# KiCad board controller.kicad_pcb (continued)
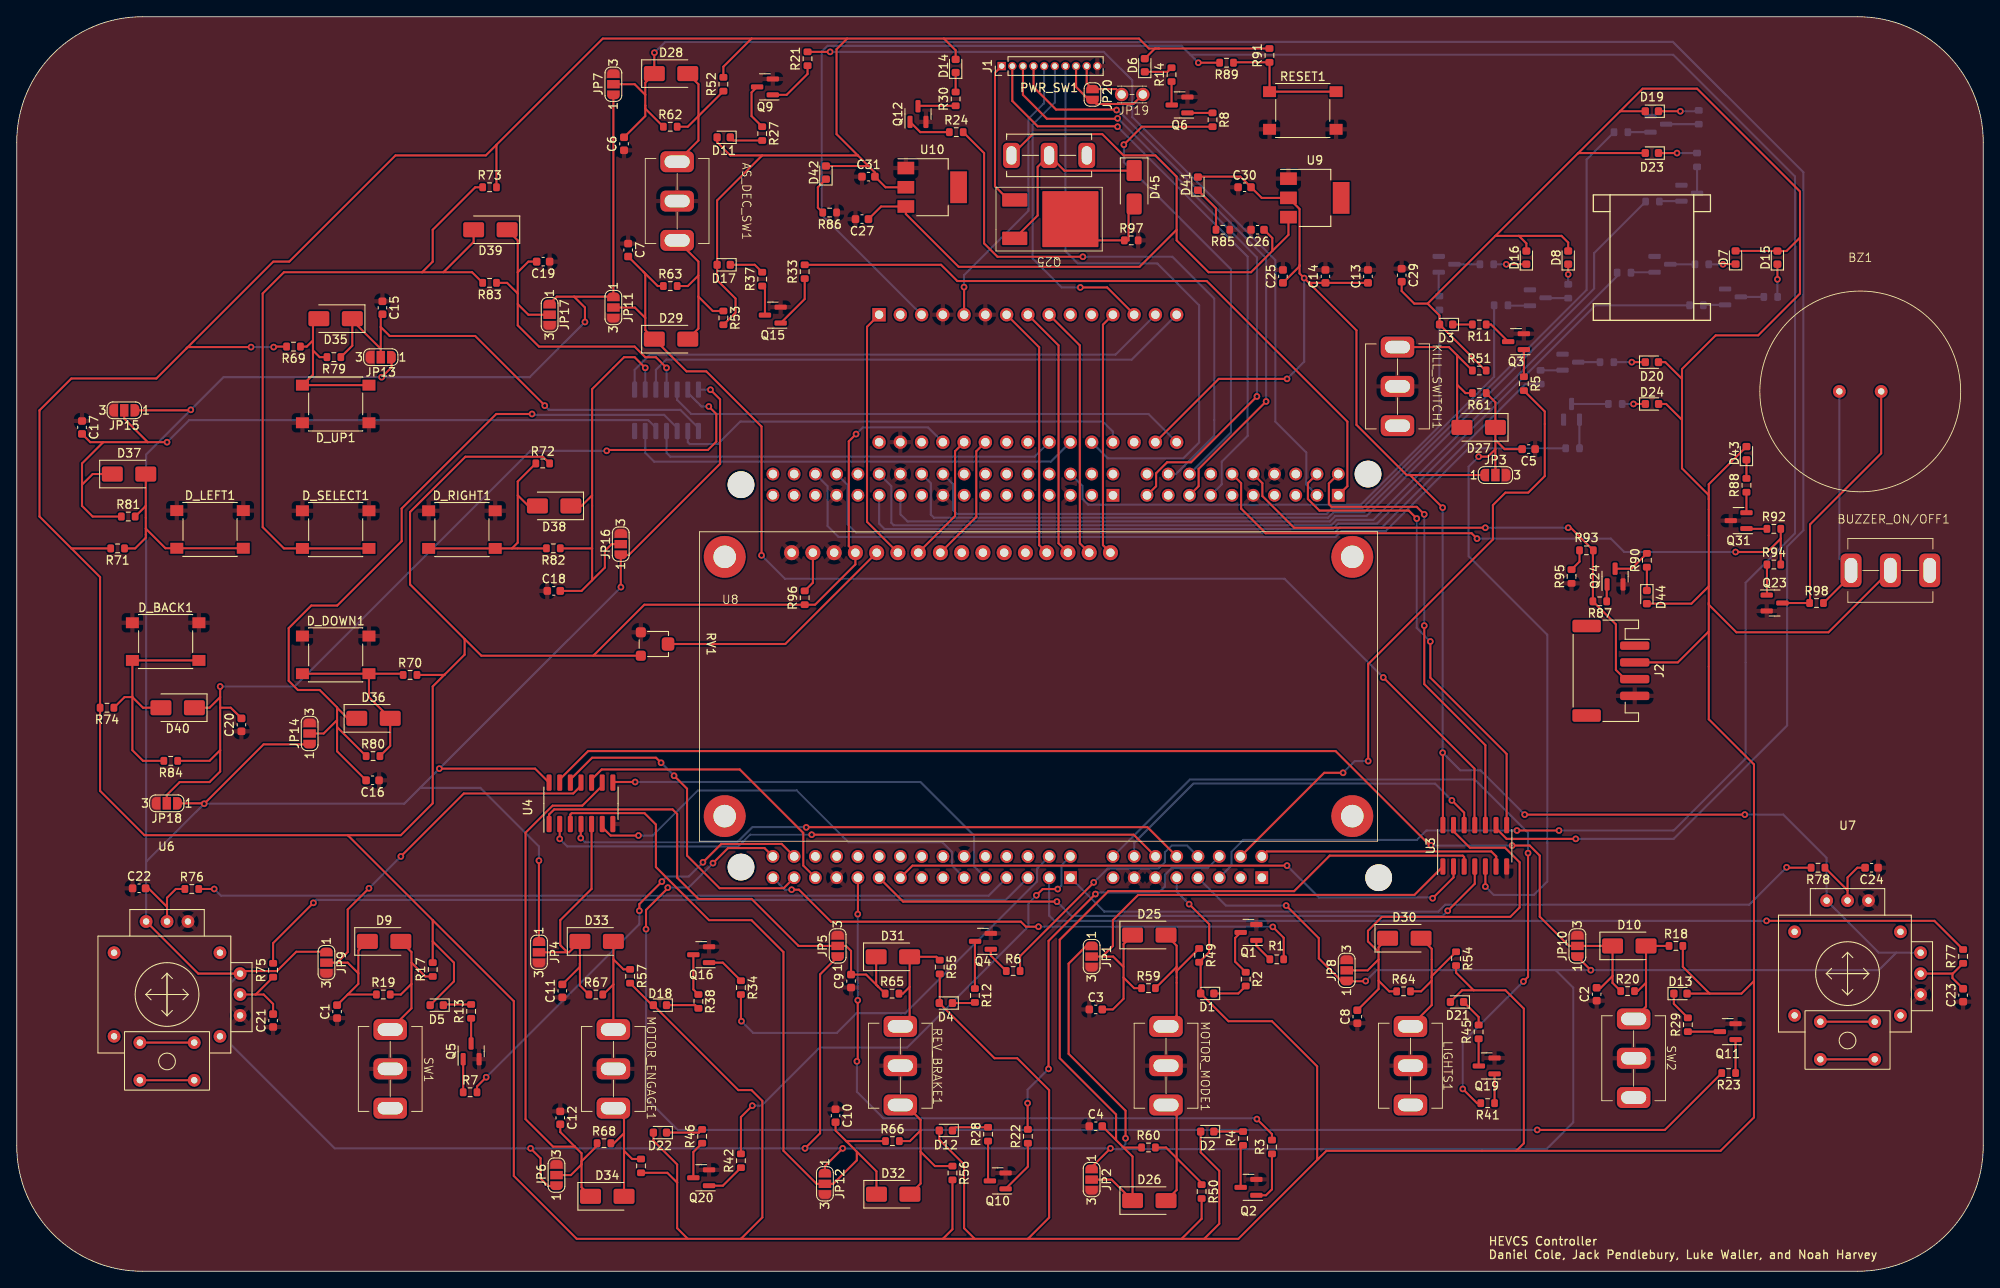
[diagram p0: board, top side]
## Footprints (pads in the part's own frame, mm; a bottom-side part is the same pattern mirrored in y, then rotated) (continued)
Variable_Resistor
  rrect 1.2x1.2 smd: 1(-1.4,-1.8) 3(1.4,-1.8)
  rrect 1.6x1.5 smd: 2(0,1.45)

## Nets
+3V3: C13.1 C14.1 C25.1 C30.2 D41.2 JP1.1 JP2.1 JP3.1 JP4.1 JP5.1 JP6.1 JP7.1 JP8.1 JP9.1 JP10.1 JP11.1 JP12.1 JP13.1 JP14.1 JP15.1 JP16.1 JP17.1 JP18.1 U1.17 U2.16 U3.14 U4.14 U5.14 U6.X1 U6.Y1 U7.X1 U7.Y1 U9.2
+5V: BUZZER_ON/OFF1.2 C29.2 C31.2 D1.2 D2.2 D3.2 D4.2 D5.2 D6.2 D7.2 D8.2 D11.2 D12.2 D13.2 D14.2 D15.2 D16.2 D17.2 D18.2 D19.2 D20.2 D21.2 D22.2 D23.2 D24.2 D42.2 D43.2 D44.2 J2.2 R17.2 R18.2 R49.2 R50.2 R51.2 R52.2 R53.2 R54.2 R55.2 R56.2 R57.2 R58.2 R69.2 R70.2 R71.2 R72.2 R73.2 R74.2 R91.2 R96.1 RV1.3 U1.27 U2.18 U8.4 U10.2
+12V: C26.1 C27.1 PWR_SW1.1 U9.3 U10.3
VIN: J1.1 Q25.1
ASCEND: U2.77 U3.8
ASCEND_LED: R21.2 U2.98
ASCEND_SB: C6.2 D28.1 JP7.2 R62.1 U3.9
BRAKE_LED: R6.2 U2.2
BRAKE_MODE: U2.4 U4.2
BRAKE_MODE_SB: C9.2 D31.1 JP5.2 R65.1 U4.1
BUZZER: R92.1 R94.2 U2.85
CLK_1: J1.4 U2.103
CLK_2: J1.7 U1.20
COL_SENS_1: R35.2 U2.116
COL_SENS_2: R43.2 U2.115
COL_SENS_3: R9.2 U2.119
COL_SENS_4: R25.2 U2.117
COL_SENS_5: R36.2 U2.123
COL_SENS_6: R44.2 U2.125
COL_SENS_7: R10.2 U2.112
COL_SENS_8: R26.2 U2.128
D_BACK: U1.16 U5.12
D_BACK_SB: C20.2 D40.1 JP18.2 R84.1 U5.13
D_DOWN: U1.22 U5.4
D_DOWN_SB: C16.2 D36.1 JP14.2 R80.1 U5.3
D_LEFT: U1.21 U5.6
D_LEFT_SB: C17.2 D37.1 JP15.2 R81.1 U5.5
D_RIGHT: U1.14 U5.8
D_RIGHT_SB: C18.2 D38.1 JP16.2 R82.1 U5.9
D_SEL: U1.15 U5.10
D_SEL_SB: C19.2 D39.1 JP17.2 R83.1 U5.11
D_UP: U1.19 U5.2
D_UP_SB: C15.2 D35.1 JP13.2 R79.1 U5.1
DE_LED: R42.2 U2.45
DESCEND: U2.75 U3.10
DESCEND_LED: R33.2 U2.76
DESCEND_SB: C7.2 D29.1 JP11.2 R63.1 U3.11
Earth: AS_DEC_SW1.2 C1.1 C2.1 C3.1 C4.1 C5.1 C6.1 C7.1 C8.1 C9.1 C10.1 C11.1 C12.1 C13.2 C14.2 C15.1 C16.1 C17.1 C18.1 C19.1 C20.1 C21.1 C22.1 C23.1 C24.1 C25.2 C26.2 C27.2 C29.1 C30.1 C31.1 D_BACK1.1 D_DOWN1.1 D_LEFT1.1 D_RIGHT1.1 D_SELECT1.1 D_UP1.1 J1.10 J2.4 JP1.3 JP2.3 JP3.3 JP4.3 JP5.3 JP6.3 JP7.3 JP8.3 JP9.3 JP10.3 JP11.3 JP12.3 JP13.3 JP14.3 JP15.3 JP16.3 JP17.3 JP18.3 KILL_SWITCH1.2 LIGHTS1.2 MOTOR_ENGAGE1.2 MOTOR_MODE1.2 Q1.2 Q2.2 Q3.2 Q4.2 Q5.2 Q6.2 Q7.2 Q8.2 Q9.2 Q10.2 Q11.2 Q12.2 Q13.2 Q14.2 Q15.2 Q16.2 Q17.2 Q18.2 Q19.2 Q20.2 Q21.2 Q22.2 Q23.2 Q24.2 Q31.3 R85.1 R86.1 R95.2 R97.2 RESET1.2 REV_BRAKE1.2 RV1.1 SW1.2 SW2.2 U1.4 U1.6 U1.29 U2.8 U2.17 U2.19 U2.20 U2.49 U2.60 U2.81 U2.92 U2.111 U2.144 U3.7 U4.7 U5.7 U6.X3 U6.Y3 U7.X3 U7.Y3 U8.1 U8.3 U9.1 U10.1
EN_LED: R34.2 U2.43
KILL_LED: R5.2 U2.73
KILL_SWITCH: U2.74 U3.6
KILL_SWITCH_SB: C5.2 D27.1 JP3.2 R61.1 U3.5
L_PITCH: R75.2 U2.37
L_ROLL: R76.2 U2.130
LCD_D4: U1.7 U8.13
LCD_D5: U1.8 U8.14
LCD_D6: U1.9 U8.15
LCD_D7: U1.12 U8.16
LCD_E: U1.25 U8.8
LCD_R/W: U1.26 U8.7
LCD_RS: U1.1 U8.6
LED_1: R8.2 U2.118
LED_2: R24.2 U2.120
LIGHTS: U2.42 U3.12
LIGHTS_LED: R41.2 U2.44
LIGHTS_SB: C8.2 D30.1 JP8.2 R64.1 U3.13
MISO_1: J1.3 U2.99
MISO_2: J1.6 U1.13
MOSI_1: J1.2 U2.101
MOSI_2: J1.5 U1.5
MOTOR_DE: U2.108 U4.8
MOTOR_DENGAGE_SB: C12.2 D34.1 JP6.2 R68.1 U4.9
MOTOR_EN: U2.114 U4.6
MOTOR_ENGAGE_SB: C11.2 D33.1 JP4.2 R67.1 U4.5
MOTOR_MODE_1: U2.52 U3.2
MOTOR_MODE_1_LED: R1.2 U2.59
MOTOR_MODE_1_SB: C3.2 D25.1 JP1.2 R59.1 U3.1
MOTOR_MODE_2: U2.31 U3.4
MOTOR_MODE_2_LED: R3.2 U2.29
MOTOR_MODE_2_SB: C4.2 D26.1 JP2.2 R60.1 U3.3
R_PITCH: R77.2 U2.38
R_ROLL: R78.2 U2.109
RESET: R89.2 U1.3 U2.14
REV_LED: R22.2 U2.1
REV_MODE: U2.3 U4.4
REV_MODE_SB: C10.2 D32.1 JP12.2 R66.1 U4.3
SWITCH_1: U2.57 U4.10
SWITCH_1_LED: R7.2 U2.56
SWITCH_1_SB: C1.2 D9.1 JP9.2 R19.1 U4.11
SWITCH_2: U2.55 U4.12
SWITCH_2_LED: R23.2 U2.58
SWITCH_2_SB: C2.2 D10.1 JP10.2 R20.1 U4.13
VIB_MOTOR: J2.3 R87.2 R93.1 U2.83
Net-(BUZZER_ON/OFF1-A): BUZZER_ON/OFF1.1 BZ1.1 R98.2
Net-(BZ1-+): BZ1.2 Q23.3 R98.1
Net-(C21-Pad2): C21.2 R75.1 U6.Y2
Net-(C22-Pad2): C22.2 R76.1 U6.X2
Net-(C23-Pad2): C23.2 R77.1 U7.Y2
Net-(C24-Pad2): C24.2 R78.1 U7.X2
Net-(D1-K): D1.1 R2.2
Net-(D2-K): D2.1 R4.2
Net-(D3-K): D3.1 R11.2
Net-(D4-K): D4.1 R12.2
Net-(D5-K): D5.1 R13.2
Net-(D6-K): D6.1 R14.2
Net-(D7-K): D7.1 R15.2
Net-(D8-K): D8.1 R16.2
Net-(D9-A): D9.2 R17.1 R19.2 SW1.1
Net-(D10-A): D10.2 R18.1 R20.2 SW2.1
Net-(D11-K): D11.1 R27.2
Net-(D12-K): D12.1 R28.2
Net-(D13-K): D13.1 R29.2
Net-(D14-K): D14.1 R30.2
Net-(D15-K): D15.1 R31.2
Net-(D16-K): D16.1 R32.2
Net-(D17-K): D17.1 R37.2
Net-(D18-K): D18.1 R38.2
Net-(D19-K): D19.1 R39.2
Net-(D20-K): D20.1 R40.2
Net-(D21-K): D21.1 R45.2
Net-(D22-K): D22.1 R46.2
Net-(D23-K): D23.1 R47.2
Net-(D24-K): D24.1 R48.2
Net-(D25-A): D25.2 MOTOR_MODE1.1 R49.1 R59.2
Net-(D26-A): D26.2 MOTOR_MODE1.3 R50.1 R60.2
Net-(D27-A): D27.2 KILL_SWITCH1.1 R51.1 R61.2
Net-(D28-A): AS_DEC_SW1.1 D28.2 R52.1 R62.2
Net-(D29-A): AS_DEC_SW1.3 D29.2 R53.1 R63.2
Net-(D30-A): D30.2 LIGHTS1.1 R54.1 R64.2
Net-(D31-A): D31.2 R55.1 R65.2 REV_BRAKE1.1
Net-(D32-A): D32.2 R56.1 R66.2 REV_BRAKE1.3
Net-(D33-A): D33.2 MOTOR_ENGAGE1.1 R57.1 R67.2
Net-(D34-A): D34.2 MOTOR_ENGAGE1.3 R58.1 R68.2
Net-(D35-A): D35.2 D_UP1.2 R69.1 R79.2
Net-(D36-A): D36.2 D_DOWN1.2 R70.1 R80.2
Net-(D37-A): D37.2 D_LEFT1.2 R71.1 R81.2
Net-(D38-A): D38.2 D_RIGHT1.2 R72.1 R82.2
Net-(D39-A): D39.2 D_SELECT1.2 R73.1 R83.2
Net-(D40-A): D40.2 D_BACK1.2 R74.1 R84.2
Net-(D41-K): D41.1 R85.2
Net-(D42-K): D42.1 R86.2
Net-(D43-K): D43.1 R88.2
Net-(D44-K): D44.1 R90.2
Net-(D45-A): D45.2 Q25.2 R97.1
Net-(D45-K): D45.1 PWR_SW1.2 Q25.3
Net-(J1-Pin_8): J1.8 JP19.2 JP20.2
Net-(J1-Pin_9): J1.9 JP19.1 JP20.1
Net-(Q1-B): Q1.1 R1.1
Net-(Q1-C): Q1.3 R2.1
Net-(Q2-B): Q2.1 R3.1
Net-(Q2-C): Q2.3 R4.1
Net-(Q3-B): Q3.1 R5.1
Net-(Q3-C): Q3.3 R11.1
Net-(Q4-B): Q4.1 R6.1
Net-(Q4-C): Q4.3 R12.1
Net-(Q5-B): Q5.1 R7.1
Net-(Q5-C): Q5.3 R13.1
Net-(Q6-B): Q6.1 R8.1
Net-(Q6-C): Q6.3 R14.1
Net-(Q7-B): Q7.1 R9.1
Net-(Q7-C): Q7.3 R15.1
Net-(Q8-B): Q8.1 R25.1
Net-(Q8-C): Q8.3 R31.1
Net-(Q9-B): Q9.1 R21.1
Net-(Q9-C): Q9.3 R27.1
Net-(Q10-B): Q10.1 R22.1
Net-(Q10-C): Q10.3 R28.1
Net-(Q11-B): Q11.1 R23.1
Net-(Q11-C): Q11.3 R29.1
Net-(Q12-B): Q12.1 R24.1
Net-(Q12-C): Q12.3 R30.1
Net-(Q13-B): Q13.1 R36.1
Net-(Q13-C): Q13.3 R40.1
Net-(Q14-B): Q14.1 R44.1
Net-(Q14-C): Q14.3 R48.1
Net-(Q15-B): Q15.1 R33.1
Net-(Q15-C): Q15.3 R37.1
Net-(Q16-B): Q16.1 R34.1
Net-(Q16-C): Q16.3 R38.1
Net-(Q17-B): Q17.1 R35.1
Net-(Q17-C): Q17.3 R39.1
Net-(Q18-B): Q18.1 R10.1
Net-(Q18-C): Q18.3 R16.1
Net-(Q19-B): Q19.1 R41.1
Net-(Q19-C): Q19.3 R45.1
Net-(Q20-B): Q20.1 R42.1
Net-(Q20-C): Q20.3 R46.1
Net-(Q21-B): Q21.1 R43.1
Net-(Q21-C): Q21.3 R47.1
Net-(Q22-B): Q22.1 R26.1
Net-(Q22-C): Q22.3 R32.1
Net-(Q23-B): Q23.1 R94.1
Net-(Q24-B): Q24.1 R87.1
Net-(Q24-C): Q24.3 R90.1
Net-(Q26-G): R93.2 R95.1
Net-(Q31-B): Q31.1 R92.2
Net-(Q31-E): Q31.2 R88.1
Net-(RESET1-A): R89.1 R91.1 RESET1.1
Net-(U8-LEDA): R96.2 U8.2
Net-(U8-Vo): RV1.2 U8.5

Pads without a net: BUZZER_ON/OFF1 3; J2 1 MP; KILL_SWITCH1 3; LIGHTS1 3; PWR_SW1 3; SW1 3; SW2 3; U1 2 10 11 18 23 24 28 30; U2 11 12 24 28 32 34 35 39 40 41 46 47 48 50 54 62 63 79 87 88 89 90 91 94 96 97 102 104 110 113 121 122 124 127 129 131 132 133 136 NC; U6 Earth SW1 SW2; U7 Earth SW1 SW2; U8 9 10 11 12; U9 4; U10 4

## Via types
v1: diameter 0.8, hole 0.4, Top to Bottom, 118 vias

## Routing (per net, layer and track width the routed paths; a pad name or vN(x,y) marks a point on that pad's centre or on a via; arc(x,y) is an arc through that point)
+3V3: length 918.6
  Top w0.25: v1(20.8,103) 20.74,102.94 JP15.1 ; v1(94.2,14.7) 96,16.5 96,35.5 JP5.1 ; v1(170.4,62) 170.43,61.97 U3.14 ; D41.2 141.2,130.88 146.23,130.88 C30.2 148.77,128.34 U9.2 153.29,127.02 153.29,120.3 ; v1(62.4,49.1) 62.4,39.45 JP4.1 ; JP6.1 63.5,10.2 62.6,11.1 62.6,13.5 v1(61.4,14.7) ; v1(151.7,43.72) 155.6,39.82 155.6,37.41 158.33,34.68 JP8.1 161.18,34.68 v1(161.2,34.7) ; v1(170.4,91.3) 166.5,95.2 ; 166.5,95.2 JP3.1 ; 166.5,95.2 166.1,95.2 160.1,101.2 160.1,112.5 154.42,118.18 ; JP18.1 22.35,55.95 v1(22.4,55.9) 29.5,63 JP14.1 ; JP7.1 JP11.1 66.6,116.53 ; JP12.1 96.58,12.58 v1(98.7,14.7) ; 154.42,118.18 C14.1 C13.1 ; 154.42,118.18 v1(153.85,118.75) 153.29,119.31 153.29,120.3 ; U4.14 61.94,60.1 v1(50.5,60.1) ; 66.6,116.53 64.54,116.53 JP17.1 ; 66.6,116.53 67.9,115.23 v1(67.9,113.5) ; v1(151.8,106.7) 143.64,106.7 U1.17 ; 153.29,120.3 153.29,120.16 C25.1 ; v1(180.2,54.6) v1(206.5,54.6) ; JP2.1 128.45,12.45 v1(130.7,14.7) ; v1(72.2,81.8) 72.18,81.82 JP16.1 73.14,85.64 84.05,96.55 84.05,104.25 v1(82.9,105.4) ; v1(188.1,36) JP10.1 ; JP9.1 33.4,38.2 31.09,35.9 26.99,35.9 U6.Y1 21.69,35.59 U6.X1 ; v1(43.6,106.9) 44.8,108.1 JP13.1 ; v1(132.5,15.9) 132.5,19.2 125.7,26 125.7,36.78 127.85,38.93 JP1.1
  Bottom w0.25: v1(67.9,113.5) 61.3,106.9 v1(43.6,106.9) 24.7,106.9 v1(20.8,103) 15.46,97.66 15.46,48.96 ; U2.16 144.5,43.72 v1(151.7,43.72) ; 183.9,36 v1(188.1,36) 222.51,36 224.6,38.09 ; 183.9,36 186,33.9 186,17.8 182.8,14.6 131.9,14.6 ; 183.9,36 162.5,36 v1(161.2,34.7) ; U7.Y1 224.6,38.09 ; 224.6,38.09 222.51,38.09 U7.X1 216.28,49.42 211.1,54.6 v1(206.5,54.6) ; 48.2,57.8 46.3,55.9 v1(22.4,55.9) 15.46,48.96 ; 48.2,57.8 55.4,57.8 62.4,50.8 v1(62.4,49.1) ; 48.2,57.8 v1(50.5,60.1) v1(72.2,81.8) ; v1(180.2,54.6) 174.9,59.9 172.5,59.9 v1(170.4,62) v1(170.4,91.3) ; v1(151.8,106.7) 153.85,108.75 v1(153.85,118.75) ; 15.46,48.96 U6.X1 ; v1(82.9,105.4) 82.89,105.41 U5.14 ; 131.9,14.6 130.8,14.6 v1(130.7,14.7) v1(98.7,14.7) v1(94.2,14.7) v1(61.4,14.7) 38,14.7 25.6,27.1 25.6,34.5 U6.Y1 ; 131.9,14.6 132.5,15.2 v1(132.5,15.9)
+5V: length 1253.9
  Top w0.25: 51.14,71.36 49.71,69.92 49.71,55.95 45.9,52.14 39.55,52.14 ; 51.14,71.36 53.52,73.73 53.52,75.6 ; 51.14,71.36 51.09,71.3 R70.2 ; 168.6,115.7 170.03,114.28 D3.2 175.53,107.7 R51.2 ; 168.6,115.7 176.7,123.8 ; 168.6,115.7 167,115.7 165.5,117.2 C29.2 ; 6.53,86.43 2.72,90.24 2.72,102.94 6.53,106.75 16.69,106.75 20.27,110.33 ; 6.53,86.43 9.96,83 R74.2 9.96,57.44 15.26,52.14 39.55,52.14 ; 6.53,86.43 R71.2 ; 191.6,138.7 194.3,141.4 200.8,141.4 213.1,129.1 213.1,123.6 ; 191.6,138.7 D19.2 ; 191.6,138.7 186.55,133.65 ; D7.2 210.39,122 D15.2 211.49,121.99 213.1,123.6 ; 136.5,146.2 135.3,146.2 134.11,147.39 110.8,147.39 ; 136.5,146.2 R91.2 ; 136.5,146.2 136.01,146.2 D6.2 ; 141.9,3.88 139.2,3.88 ; 141.9,3.88 143.7,5.68 143.7,12 141.48,14.22 D2.2 ; 141.9,3.88 145.98,3.88 155.4,13.3 ; D23.2 186.6,133.7 186.55,133.65 ; 174.1,33.6 177.9,33.6 180.1,31.4 180.1,15.3 179.2,14.4 ; 174.1,33.6 172.72,33.6 171.32,32.2 ; 174.1,33.6 172,35.7 R54.2 ; v1(100.3,100.1) 99.43,99.23 99.43,86.71 U8.4 100.22,84.52 95.4,79.7 R96.1 75,79.7 68.9,73.6 ; 186.55,133.65 176.7,123.8 ; 80.19,3.88 78.92,5.15 78.92,10.6 ; R52.2 84.44,144.03 87.81,147.39 ; 202.2,76.5 198.5,72.8 J2.2 ; 202.2,76.5 202.2,79.9 ; 202.2,76.5 202.2,66 207.6,60.6 207.6,34.7 ; v1(28,110.5) 20.44,110.5 20.27,110.33 ; D11.2 83.69,135 85.27,133.42 89.08,133.42 ; 39.55,52.14 49.71,41.98 ; D43.2 202.2,94.1 202.2,92.3 ; R72.2 62.88,97.39 53.61,97.39 47,90.78 47,82.12 53.52,75.6 ; 100.51,133.42 97.97,135.96 97.97,146.12 99.24,147.39 ; 100.51,133.42 89.08,133.42 ; 100.51,133.42 101.78,132.15 ; 202.2,81.9 202.2,79.9 ; 202.2,81.9 202.2,92.3 ; 202.2,81.9 200.12,79.83 D44.2 ; 202.2,79.9 202.2,79.7 205.5,76.4 216.5,76.4 BUZZER_ON/OFF1.2 ; 99.24,147.39 110.8,147.39 ; 99.24,147.39 87.81,147.39 ; 202.2,92.3 202.2,92.8 199,96 199,101.8 ; R18.2 199.1,36.4 202.3,33.2 ; R69.2 30.76,110.56 v1(30.7,110.5) ; 68.9,73.6 55.52,73.6 53.52,75.6 ; 68.9,73.6 RV1.3 ; 202.3,33.2 206.1,33.2 207.6,34.7 ; 202.3,33.2 D13.2 ; 176.7,123.8 179.5,123.8 ; 179.5,123.8 180.4,122.9 D16.2 ; 179.5,123.8 184.6,123.8 185.4,123 D8.2 ; D14.2 112.2,145.99 110.8,147.39 ; 139.2,3.88 141.59,6.28 R50.2 ; 139.2,3.88 120.83,3.88 ; v1(140.1,43.9) 142.5,41.5 142.5,38.15 R49.2 141.48,36.77 D1.2 144.79,29.9 150,29.9 155.4,24.5 155.4,13.3 ; U10.2 103.82,129.61 C31.2 102.56,131.38 101.78,132.15 ; 57.33,134.69 56.06,133.42 45.26,133.42 32.56,120.72 30.66,120.72 20.27,110.33 ; 57.33,134.69 70.03,147.39 87.81,147.39 ; 57.33,134.69 R73.2 ; 110.67,3.88 111.82,5.03 R56.2 ; 110.67,3.88 86.54,3.88 ; 110.67,3.88 120.83,3.88 ; 86.54,3.88 66.92,3.88 59.4,11.4 59.4,32.29 49.71,41.98 ; 86.54,3.88 89.1,6.44 89.1,20.37 87.81,21.66 86.23,21.66 D18.2 75.93,31.82 R57.2 ; 49.71,41.98 49.71,39.44 ; D20.2 197,108.7 199,106.7 ; 101.78,132.15 D42.2 ; 78.92,10.6 78.92,12.77 76.08,15.62 D22.2 ; 78.92,10.6 77.75,11.78 R58.2 ; 120.83,3.88 123.37,6.42 123.37,21.66 119.56,25.47 116.85,25.47 D4.2 110.3,32.13 R55.2 ; 199,106.7 199,107.88 203.02,111.9 208.1,111.9 213.1,116.9 213.1,123.6 ; 199,106.7 199,101.8 ; 49.71,39.44 R17.2 ; 49.71,39.44 52.25,36.9 52.25,34.66 D5.2 ; 89.08,133.42 83.69,128.03 D17.2 83.69,118.5 85.9,116.3 85.9,114.62 R53.2 ; 155.4,13.3 156.5,14.4 179.2,14.4 ; 199,101.8 197.1,103.7 D24.2 ; 207.6,34.7 207.6,18.4 203.6,14.4 179.2,14.4 ; 114.48,3.88 113.21,5.15 113.21,12.77 110.24,15.74 D12.2
  Bottom w0.25: U1.27 108.9,100.9 101.1,100.9 v1(100.3,100.1) ; v1(30.7,110.5) v1(28,110.5) ; v1(140.1,43.9) 138.62,45.38 U2.18
+12V: length 95.2
  Top w0.25: 138.61,124.53 138.61,130.88 136.07,133.42 132.26,133.42 129.72,135.96 121.41,135.96 PWR_SW1.1 ; 138.61,124.53 134.18,120.1 112.56,120.1 106.25,126.41 U10.3 103.29,127.31 C27.1 ; 138.61,124.53 138.61,123.26 142.42,119.45 147.5,119.45 150.04,121.99 ; C26.1 150.04,123.54 150.04,121.99 ; 150.04,121.99 151.97,123.92 U9.3
VIN: length 17.7
  Top w0.25: J1.1 116.9,143.3 116.9,129.73 118.53,128.1 Q25.1
ASCEND: length 58.5
  Top w0.25: 178.04,53.34 178.04,61.86 168.92,70.98 v1(168.92,75.3) ; v1(167.3,90) 166.35,90.95 155.67,90.95 154.29,92.33 154.29,94.23 U2.77
  Bottom w0.25: v1(168.92,75.3) 167.3,76.92 v1(167.3,90)
ASCEND_LED: length 99
  Top w0.25: v1(97.2,145.8) R21.2
  Bottom w0.25: v1(97.2,145.8) 129.9,145.8 133.3,142.4 133.3,138 150.4,120.9 150.4,101.6 154.1,97.9 154.1,94.06 U2.98
ASCEND_SB: length 271.9
  Top w0.25: C6.2 75.11,138.12 75.11,139.39 ; U3.9 176.78,52.97 178.04,51.7 v1(186.3,51.7) ; 75.11,139.39 75.11,139.01 R62.1 ; 75.11,139.39 75.11,140.66 ; 75.11,140.66 75.11,142.12 D28.1 76.19,145.69 v1(76.2,145.7) ; 75.11,140.66 73.84,141.93 JP7.2
  Bottom w0.25: v1(186.3,51.7) 198,51.7 211.56,65.26 211.56,86.65 213.5,88.59 213.5,131.4 197.9,147 77.5,147 v1(76.2,145.7)
BRAKE_LED: length 29.8
  Top w0.25: R6.2 119.9,37.67 128.7,46.47 v1(128.7,46.5)
  Bottom w0.25: v1(128.7,46.5) 130.35,48.15 136.45,48.15 137.2,48.9 137.2,50.08 138.02,50.9 139.86,50.9 U2.2
BRAKE_MODE: length 75
  Top w0.25: U2.4 133.48,52.2 v1(95,52.2) ; v1(64.89,51.7) U4.2
  Bottom w0.25: v1(64.89,51.7) 65.78,50.8 86.24,50.8 87.64,52.2 v1(95,52.2)
BRAKE_MODE_SB: length 60.5
  Top w0.25: U4.1 63.61,54.61 64.22,55.22 78.38,55.22 78.92,54.68 78.92,47.06 81.46,44.52 87.81,44.52 93.43,38.9 JP5.2 99.1,38.9 99.7,38.3 C9.2 101.5,35.47 102.94,34.04 ; R65.1 102.94,34.04 ; 102.94,34.04 102.7,34.28 D31.1
BUZZER: length 76.2
  Top w0.25: 210.8,87.6 R94.2 ; 210.8,87.6 R92.1 ; 210.8,87.6 209.2,86 v1(205.4,86) ; U2.85 146.31,94.23 146.31,91.19 149.26,88.25 173.85,88.25 v1(174.5,87.6)
  Bottom w0.25: v1(205.4,86) 192.1,86 190.5,87.6 v1(174.5,87.6)
CLK_1: length 70.9
  Top w0.25: v1(149.3,104) 141.23,95.93 141.23,93.87 U2.103 ; v1(131.43,138.84) 131.38,138.9 124.2,138.9 121.51,141.59 J1.4
  Bottom w0.25: v1(131.43,138.84) 131.58,138.84 149.3,121.13 v1(149.3,104)
CLK_2: length 71.6
  Bottom w0.25: J1.7 125.32,121.98 126.8,120.5 136.3,120.5 141.3,115.5 141.3,99.1 139.4,97.2 130.38,97.2 U1.20
COL_SENS_1: length 115.3
  Bottom w0.25: U2.116 109.23,94.23 109.23,90.47 109.6,90.1 156.72,90.1 157.37,90.75 161.02,90.75 187.6,117.33 187.6,132.93 R35.2
COL_SENS_2: length 110
  Bottom w0.25: U2.115 105.6,90.5 106.45,89.65 156.9,89.65 157.55,90.3 161.3,90.3 188.5,117.5 188.5,121.75 R43.2
COL_SENS_3: length 106
  Bottom w0.25: U2.119 104.51,93.87 104.51,89.49 104.8,89.2 157.09,89.2 157.74,89.85 162.11,89.85 191.25,118.99 R9.2
COL_SENS_4: length 111.6
  Bottom w0.25: U2.117 103.06,89.39 103.7,88.75 157.28,88.75 157.93,89.4 162.56,89.4 188.66,115.5 R25.2
COL_SENS_5: length 97.1
  Bottom w0.25: 182.1,106.08 180.28,106.08 163.15,88.95 158.11,88.95 157.46,88.3 100.3,88.3 99.3,89.3 99.3,94 U2.123
COL_SENS_6: length 100
  Bottom w0.25: R44.2 173.5,98.4 163.6,88.5 158.3,88.5 157.6,87.8 98.2,87.8 96.89,89.11 96.89,93.87 U2.125
COL_SENS_7: length 85
  Bottom w0.25: R10.2 176.55,106.96 160.79,91.2 157.18,91.2 156.53,90.55 112.35,90.55 111.9,91 111.9,94.1 U2.112
COL_SENS_8: length 64.3
  Bottom w0.25: U2.128 127.37,93.87 127.37,92.33 128.05,91.65 160.6,91.65 170,101.05 R26.2
D_BACK: length 63
  Bottom w0.25: U5.12 78.92,104.18 80.6,102.5 135.24,102.5 U1.16
D_BACK_SB: length 110.5
  Top w0.25: JP18.2 17.93,56.95 19.47,58.49 23.04,58.49 24.31,59.76 24.31,62.3 ; 24.31,62.3 23.04,61.03 R84.1 ; 24.31,62.3 24.31,68.65 ; v1(70.5,98.1) 70.6,98.2 82.6,98.2 83.6,99.2 83.6,102.5 v1(82.7,103.4) ; 24.31,68.65 v1(24.31,69.92) ; 24.31,68.65 23.04,67.38 D40.1 ; C20.2 25.58,67.38 24.31,67.38
  Bottom w0.25: v1(70.5,98.1) 61.38,98.1 33.2,69.92 v1(24.31,69.92) ; v1(82.7,103.4) 81.83,103.4 80.19,105.04 U5.13
D_DOWN: length 49.2
  Bottom w0.25: U5.4 77.65,97.86 78.11,97.4 121.64,97.4 U1.22
D_DOWN_SB: length 95.7
  Top w0.25: D36.1 39.55,66.11 38.28,67.38 ; 38.28,65.9 38.28,67.38 ; 38.28,65.9 36.68,64.3 JP14.2 ; 38.28,65.9 38.28,65.07 ; 38.28,67.38 38.28,67.42 36.2,69.5 33.6,69.5 32.5,70.6 32.5,76.9 35.2,79.6 38.3,79.6 46,87.3 46,91.2 57.3,102.5 v1(61.58,102.5) ; R80.1 38.28,65.07 ; 38.28,65.07 38.28,62.17 C16.2
  Bottom w0.25: U5.3 78.92,100.84 77.36,102.4 61.68,102.4 v1(61.58,102.5)
D_LEFT: length 54.8
  Bottom w0.25: U1.21 123.58,96.8 76.17,96.8 75.11,97.86 U5.6
D_LEFT_SB: length 93.9
  Top w0.25: 7.8,94.05 7.8,96.59 10.34,99.13 ; 7.8,94.05 7.8,91.51 9.07,90.24 R81.1 ; 7.8,94.05 9.07,95.32 D37.1 ; C17.2 8.79,99.13 10.34,99.13 ; 15.66,99.13 10.34,99.13 ; 15.66,99.13 v1(17.96,99.13) ; 15.66,99.13 12.85,101.94 JP15.2
  Bottom w0.25: v1(17.96,99.13) 20.59,101.77 75.46,101.77 76.38,100.84 U5.5
D_RIGHT: length 67.3
  Bottom w0.25: U5.8 73.84,107.78 75.66,109.6 131.3,109.6 U1.14
D_RIGHT_SB: length 51.5
  Top w0.25: C18.2 67.49,81.35 68.76,82.62 ; 68.76,92.78 67.49,91.51 D38.1 ; JP16.2 71.08,86.94 70.28,86.14 70.28,84.14 68.76,82.62 ; 68.76,86.43 64.96,86.43 R82.1 ; 68.76,86.43 68.76,82.62 ; 68.76,86.43 68.76,105.48 72.57,109.29 73.84,109.29 v1(75.11,108.02)
  Bottom w0.25: U5.9 v1(75.11,108.02)
D_SEL: length 67.3
  Bottom w0.25: U1.15 133.24,109 77.6,109 76.38,107.78 U5.10
D_SEL_SB: length 44.6
  Top w0.25: 59.87,116.91 59.87,113.1 62.41,110.56 73.84,110.56 75.11,109.29 76.38,109.29 v1(77.65,108.02) ; 59.87,116.91 58.6,118.18 R83.1 ; 59.87,116.91 59.87,119.45 ; D39.1 59.87,123.26 59.87,119.45 ; 59.87,119.45 61.14,120.72 C19.2 ; JP17.2 61.14,114.37 59.87,115.64
  Bottom w0.25: U5.11 v1(77.65,108.02)
D_UP: length 55.1
  Bottom w0.25: U1.19 130.99,100.4 129.79,101.6 86.47,101.6 83.77,98.9 80.42,98.9 80.19,99.13 U5.2
D_UP_SB: length 58.7
  Top w0.25: R79.1 40.1,110.67 D35.1 40.1,113.69 43.5,110.29 ; 43.5,112.9 44.57,111.83 54.79,111.83 63.1,103.52 v1(63.1,103.5) ; 43.5,112.9 43.5,114.22 43.7,114.42 ; 43.5,112.9 43.5,110.29 ; 43.5,110.29 JP13.2
  Bottom w0.25: v1(63.1,103.5) 63.6,103 79.3,103 81.46,100.84 U5.1
DE_LED: length 59.7
  Top w0.25: v1(87.9,19.8) 86.54,18.44 R42.2 ; v1(121.85,44.95) 122.6,45.7 v1(124.4,45.7)
  Bottom w0.25: v1(121.85,44.95) 120.9,44 120.9,41.25 106.4,26.75 95.95,26.75 89,19.8 v1(87.9,19.8) ; v1(124.4,45.7) 124.83,46.13 124.83,48.51 U2.45
DESCEND: length 56.1
  Top w0.25: 175.5,53.34 175.5,62.89 168.2,70.2 v1(168.2,77.2) ; v1(168.2,90.5) 167.3,91.4 157.12,91.4 156.8,91.72 156.8,94.2 U2.75
  Bottom w0.25: v1(168.2,77.2) v1(168.2,90.5)
DESCEND_LED: length 81.9
  Top w0.25: R33.2 110.46,120.34 112.4,118.4 142.2,118.4 159.01,101.59 159.01,93.87 U2.76
DESCEND_SB: length 153.6
  Top w0.25: JP11.2 73.87,115.23 75.11,113.99 ; 75.11,113.99 75.11,112.53 D29.1 80.04,107.6 82.4,107.6 89,101 v1(89,85.6) ; 75.11,113.99 75.11,119.28 74.9,119.5 ; v1(163.3,71) 174.2,60.1 174.2,53.38 U3.11 ; R63.1 76.59,117.8 74.9,119.5 ; 74.9,119.5 C7.2
  Bottom w0.25: v1(89,85.6) 91.8,82.8 151.5,82.8 v1(163.3,71)
EN_LED: length 50.2
  Top w0.25: R34.2 86.54,29.96 v1(86.6,29.9)
  Bottom w0.25: U2.43 121.93,48.15 121.93,46.61 106.18,30.85 100.36,30.85 98,28.5 88,28.5 v1(86.6,29.9)
KILL_LED: length 75.7
  Top w0.25: v1(158.5,59.6) 156.24,59.6 U2.73 ; v1(161.5,61) 161.5,72.6 176.4,87.5 176.4,91.6 177.9,93.1 180.62,93.1 182.6,95.08 182.6,102.8 R5.2
  Bottom w0.25: v1(161.5,61) 159.9,61 v1(158.5,59.6)
KILL_SWITCH: length 29.7
  Top w0.25: U2.74 149.38,50.2 176.2,50.2 176.8,49.6 176.8,48.42 U3.6
KILL_SWITCH_SB: length 82.3
  Top w0.25: 176.7,99.4 177.8,98.3 C5.2 ; 176.7,99.4 D27.1 176.7,103.9 R61.1 ; 176.7,99.4 176.7,98.3 ; v1(175.5,46) 175.5,46 175.5,48.39 ; 176.7,98.3 175.8,97.4 v1(174.7,97.4) ; 176.7,98.3 JP3.2
  Bottom w0.25: v1(174.7,97.4) 173.5,96.2 173.5,85.5 182.9,76.1 182.9,46.6 181.3,45 176.5,45 v1(175.5,46)
L_PITCH: length 95.9
  Top w0.25: v1(35.45,44.05) 30.63,39.23 R75.2
  Bottom w0.25: v1(35.45,44.05) 35.8,44.4 118.18,44.4 U2.37
L_ROLL: length 97.8
  Top w0.25: v1(23.6,45.71) 21.74,45.71
  Bottom w0.25: U2.130 116.14,44.9 24.41,44.9 v1(23.6,45.71)
LCD_D4: length 30.4
  Top w0.25: U1.7 122.18,110.48 122.18,86.82 U8.13
LCD_D5: length 30.4
  Top w0.25: U1.8 124.5,110.7 124.5,87.05 U8.14
LCD_D6: length 30.4
  Top w0.25: U1.9 127.03,110.7 127.03,87.05 U8.15
LCD_D7: length 29.3
  Top w0.25: U8.16 129.8,86.82 129.8,113.18 U1.12
LCD_E: length 15.4
  Top w0.25: U8.8 114.67,90.21 114.67,98.05 U1.25
LCD_R/W: length 15.5
  Top w0.25: U8.7 112.13,90.31 112.13,98.05 U1.26
LCD_RS: length 30.6
  Top w0.25: U1.1 101.61,112.93 101.61,89.61 U8.6
LED_1: length 58.2
  Top w0.25: R8.2 134.45,136.85 v1(132.3,134.7)
  Bottom w0.25: v1(132.3,134.7) 132.3,132.6 145.1,119.8 145.1,100.28 U2.118
LED_2: length 68.4
  Top w0.25: v1(127.4,121.3) 117.2,121.3 115.6,122.9 115.6,133.7 R24.2
  Bottom w0.25: U2.120 138.52,95.32 143.1,99.9 143.1,116.3 138.1,121.3 v1(127.4,121.3)
LIGHTS: length 46.9
  Top w0.25: U3.12 172.97,54.83 v1(171.5,56.3)
  Bottom w0.25: U2.42 133.54,51.24 140.6,58.3 169.5,58.3 v1(171.5,56.3)
LIGHTS_LED: length 92.8
  Top w0.25: v1(180.05,34.65) 180.6,35.2 v1(180.6,50) ; v1(172.8,21.8) 174.5,20.1 R41.2
  Bottom w0.25: v1(172.8,21.8) 172.8,27.4 v1(180.05,34.65) ; v1(180.6,50) 180.6,52.43 174.23,58.8 140.2,58.8 U2.44
LIGHTS_SB: length 55.1
  Top w0.25: D30.1 162.74,38.74 162.74,38.17 ; 162.74,37.28 161.44,35.98 JP8.2 ; 162.74,37.28 162.74,34.74 ; 162.74,37.28 162.74,38.17 ; 162.74,34.74 164.01,33.47 R64.1 ; 162.74,34.74 162.74,33.75 C8.2 ; 162.74,38.17 161.47,39.44 161.47,40.71 163.13,42.38 178.47,42.38 179.6,43.5 179.6,48.9 177.85,50.65 173.65,50.65 171.69,52.61 U3.13
MISO_1: length 75.1
  Top w0.25: U2.99 136.15,93.87 136.15,95.41 137.47,96.73 140.33,96.73 v1(148.2,104.6) ; v1(131.55,137.85) 131.5,137.8 123.1,137.8 120.24,140.66 J1.3
  Bottom w0.25: v1(148.2,104.6) 148.2,121.23 131.58,137.85 v1(131.55,137.85)
MISO_2: length 39
  Top w0.25: v1(127.1,117.63) 130.3,117.63 133.53,114.4 U1.13
  Bottom w0.25: v1(127.1,117.63) 124.87,117.63 121.4,121.1 121.4,137.1 124.05,139.75 J1.6
MOSI_1: length 70.4
  Top w0.25: v1(131.55,136.85) 131.5,136.9 122,136.9 118.97,139.93 J1.2
  Bottom w0.25: v1(131.55,136.85) 147.1,121.3 147.1,99.9 144,96.8 144,94.1 U2.101
MOSI_2: length 33.7
  Top w0.25: U1.5 113.21,117.67 v1(113.2,117.68)
  Bottom w0.25: v1(113.2,117.68) 113.2,119.1 120.9,126.8 120.9,137.8 122.78,139.68 J1.5
MOTOR_DE: length 51.5
  Top w0.25: U4.8 71.31,58.5 v1(73.9,58.5)
  Bottom w0.25: v1(73.9,58.5) 108,58.5 114.4,52.1 114.4,48.42 U2.108
MOTOR_DENGAGE_SB: length 70.5
  Top w0.25: 67.49,12.77 67.49,10.04 D34.1 ; 67.49,12.77 67.49,13.15 69.65,15.31 ; 67.49,12.77 67.49,14.11 66.72,14.88 ; 67.49,12.77 66.22,11.5 JP6.2 ; C12.2 64.95,16.65 66.72,14.88 ; 66.72,14.88 66.7,14.9 64.09,14.9 60.8,18.19 60.8,52.44 64.04,55.67 67.59,55.67 69.97,58.05 U4.9
MOTOR_EN: length 51.6
  Top w0.25: v1(74.3,52.1) 70.96,52.1 69.97,53.1 U4.6
  Bottom w0.25: U2.114 111.77,48.51 111.77,50.13 110.6,51.3 99.4,51.3 93.2,57.5 81.4,57.5 76,52.1 v1(74.3,52.1)
MOTOR_ENGAGE_SB: length 32.8
  Top w0.25: 67.3,36.8 D33.1 66,38.14 65.8,38.14 ; 67.3,36.8 67.3,36.4 C11.2 ; 67.3,36.8 67.3,34.17 R67.1 ; 65.8,38.14 64.95,38.99 64.95,41.98 68.69,45.72 U4.5 ; 65.8,38.14 JP4.2
MOTOR_MODE_1: length 70.6
  Top w0.25: v1(169.2,44.6) 171.69,47.09 U3.2 ; U2.52 107.04,48.5 v1(151.8,48.5)
  Bottom w0.25: v1(151.8,48.5) 155.6,44.7 169.1,44.7 v1(169.2,44.6)
MOTOR_MODE_1_LED: length 66.6
  Top w0.25: v1(92.6,45.62) 93.48,45.62 97.3,41.8 120,41.8 120.6,41.2 v1(122.1,41.2) ; R1.2 151.4,39.88 v1(150.1,41.18)
  Bottom w0.25: v1(92.6,45.62) 91.8,45.62 U2.59 ; v1(122.1,41.2) 150.08,41.2 v1(150.1,41.18)
MOTOR_MODE_1_SB: length 65.1
  Top w0.25: JP1.2 129.72,37.63 ; 129.72,37.63 131.02,37.63 132.26,36.39 ; 129.72,37.63 130.99,38.9 130.99,41.98 134.01,45 167.03,45 U3.1 ; 132.26,35.12 132.26,32.58 130.99,31.31 C3.2 ; 132.26,35.12 133.53,33.85 R59.1 ; 132.26,35.12 132.26,39.12 D25.1
MOTOR_MODE_2: length 76.7
  Top w0.25: U3.4 174.24,46.33 v1(171,43.1) ; v1(124.3,44.2) 105.92,44.2 U2.31
  Bottom w0.25: v1(124.3,44.2) 126,42.5 170.4,42.5 v1(171,43.1)
MOTOR_MODE_2_LED: length 78.1
  Top w0.25: v1(148.2,18.2) 150,16.4 R3.2 ; v1(100.5,42.7) 100.52,42.72 U2.29 ; v1(100.5,32.4) 100.5,25.2 v1(100.4,25.1)
  Bottom w0.25: v1(100.5,42.7) v1(100.5,32.4) ; v1(148.2,18.2) 148.1,18.3 103.55,18.3 100.4,21.45 v1(100.4,25.1)
MOTOR_MODE_2_SB: length 98.9
  Top w0.25: U3.3 172.97,49.53 172.81,49.69 156.9,49.69 152.65,45.45 130.45,45.45 124.64,39.64 124.64,25.47 131.37,18.74 131.37,15.69 ; 131.37,15.69 C4.2 ; 131.37,15.69 132.26,14.8 ; JP2.2 130.83,10.96 D26.1 133.34,13.72 132.26,14.8 ; 132.26,14.8 R60.1
R_PITCH: length 115.4
  Top w0.25: v1(209.1,41.9) 229.16,41.9 R77.2
  Bottom w0.25: v1(209.1,41.9) 124,41.9 123.38,42.52 U2.38
R_ROLL: length 92.4
  Top w0.25: R78.2 211.55,48.25 v1(211.5,48.3)
  Bottom w0.25: v1(211.5,48.3) 207.03,43.83 170.7,43.83 169.87,43 129.98,43 U2.109
RESET: length 305.2
  Top w0.25: v1(184.3,52.7) v1(179.28,52.7) ; v1(141.2,144.5) R89.2
  Bottom w0.25: 140.25,145.45 v1(141.2,144.5) ; 140.25,145.45 139.18,146.53 96.9,146.53 96.2,145.83 96.2,126.3 U1.3 ; 140.25,145.45 197.95,145.45 212.5,130.9 212.5,88.22 206.6,82.32 206.6,61.3 198,52.7 v1(184.3,52.7) ; v1(179.28,52.7) 168.45,52.7 167.32,51.57 146.57,51.57 145.15,50.15 145.15,48.51 U2.14
REV_LED: length 49
  Top w0.25: v1(120.8,20.1) 120.8,16.99 R22.2 ; v1(123.3,24.2) 123.3,39.5 v1(128.9,45.1)
  Bottom w0.25: v1(123.3,24.2) 120.8,21.7 v1(120.8,20.1) ; U2.1 142.3,48.2 138,48.2 137.2,47.4 137.2,46 136.5,45.3 129.1,45.3 v1(128.9,45.1)
REV_MODE: length 75.3
  Top w0.25: U2.3 135.12,53.1 94.38,53.1 v1(94.35,53.07) ; v1(67.4,51.8) 67.4,53.45 U4.4
  Bottom w0.25: v1(67.4,51.8) 67.9,51.3 86.1,51.3 87.9,53.1 94.32,53.1 v1(94.35,53.07)
REV_MODE_SB: length 88.2
  Top w0.25: R66.1 99.12,15.56 ; 99.12,15.56 97.85,16.83 C10.2 ; 99.12,15.56 102.74,11.94 D32.1 ; 100.39,14.29 100.39,13.26 97.58,10.45 JP12.2 95.58,10.45 91.62,14.41 91.62,38.17 87.81,41.98 82.73,41.98 76.38,48.33 76.38,53.41 75.02,54.78 66.31,54.78 66.16,54.61 U4.3
SWITCH_1: length 35.3
  Top w0.25: U4.10 68.69,58.8 69.89,60 86.4,60 93.99,52.41 93.99,48.51 U2.57
SWITCH_1_LED: length 52.6
  Top w0.25: v1(56.1,23.2) 55,22.1 R7.2 ; v1(82,48.9) 84.2,51.1 91.4,51.1 U2.56 ; v1(74.4,43.1) 74.4,43.9 v1(77.09,46.59)
  Bottom w0.25: v1(82,48.9) 80.29,47.19 77.69,47.19 v1(77.09,46.59) ; v1(74.4,43.1) 74.4,41.5 v1(56.1,23.2)
SWITCH_1_SB: length 58.1
  Top w0.25: 39.55,33.09 40.82,34.36 40.82,35.63 ; 39.55,33.09 C1.2 ; 39.55,33.09 R19.1 ; 38.28,36.9 39.55,36.9 40.82,35.63 ; 38.28,36.9 JP9.2 ; 38.28,36.9 39.55,38.17 39.55,43.25 v1(42.09,45.79) ; v1(45.9,49.6) 53.42,57.12 66.5,57.12 67.42,58.05 U4.11 ; 40.82,35.63 40.82,38.36 D9.1
  Bottom w0.25: v1(42.09,45.79) v1(45.9,49.6)
SWITCH_2: length 39.9
  Top w0.25: U4.12 66.16,58.8 68.75,61.4 76.4,61.4 v1(77,60.8) ; v1(78.55,59.25) 80.1,57.7 80.1,49.7 84,45.8 91.64,45.8 U2.55
  Bottom w0.25: v1(77,60.8) v1(78.55,59.25)
SWITCH_2_LED: length 174.1
  Top w0.25: v1(77.8,45.87) 77.8,45.8 75.2,43.2 v1(75.2,40.9) ; v1(83.2,48.8) 85,50.6 89.36,50.6 U2.58 ; R23.2 196.95,16.9 v1(181.7,16.9)
  Bottom w0.25: v1(181.7,16.9) 79,16.9 75.2,20.7 v1(75.2,40.9) ; v1(83.2,48.8) 80.27,45.87 v1(77.8,45.87)
SWITCH_2_SB: length 149.8
  Top w0.25: 190.7,35.3 190.7,34.47 R20.1 ; 190.7,35.3 189.3,33.9 C2.2 ; 190.7,35.3 D10.1 JP10.2 185.5,38.9 182,42.4 182,49.7 180.8,50.9 v1(178.7,50.9) ; v1(169,50.92) 168.88,50.92 157.6,62.2 68.28,62.2 64.89,58.8 U4.13
  Bottom w0.25: v1(169,50.92) 169.02,50.9 v1(178.7,50.9)
VIB_MOTOR: length 63.5
  Top w0.25: U2.83 148.85,94.23 148.85,92.69 152.64,88.9 v1(175.5,88.9) ; v1(185.4,88.9) 185.7,88.9 R93.1 188.35,86.15 R87.2 191.1,77.35 191.1,71.9 192.2,70.8 J2.3
  Bottom w0.25: v1(175.5,88.9) v1(185.4,88.9)
Net-(BUZZER_ON/OFF1-A): length 27.2
  Top w0.25: R98.2 219.2,83.2 BUZZER_ON/OFF1.1
  Bottom w0.25: BUZZER_ON/OFF1.1 217.8,85.2 BZ1.1
Net-(BZ1-+): length 32.1
  Top w0.25: BZ1.2 222.8,97.8 214.3,89.3 214.3,79.95 R98.1 Q23.3
Net-(C21-Pad2): length 8.6
  Top w0.25: C21.2 30.63,31.97 29.51,33.09 28.55,33.09 ; 28.55,33.09 U6.Y2 ; 28.55,33.09 R75.1
Net-(C22-Pad2): length 8.9
  Top w0.25: 17.96,43.58 U6.X2 ; 17.96,43.58 17.96,44.66 19.01,45.71 R76.1 ; 17.96,43.58 15.74,45.79 15.4,45.79
Net-(C23-Pad2): length 7.9
  Top w0.25: 231.32,35.59 231.32,35.06 C23.2 ; 231.32,35.59 231.36,35.59 R77.1 ; 231.32,35.59 U7.Y2
Net-(C24-Pad2): length 9.2
  Top w0.25: R78.1 218.78,45.55 ; 218.78,45.55 U7.X2 ; 218.78,45.55 218.78,47.08 219.95,48.25 C24.2
Net-(D1-K): length 4.2
  Top w0.25: 146.87,34.1 145.97,33.22 D1.1
Net-(D2-K): length 3.5
  Top w0.25: R4.2 D2.1
Net-(D3-K): length 2.3
  Top w0.25: D3.1 R11.2
Net-(D4-K): length 2.7
  Top w0.25: D4.1 114.42,32.07 R12.2
Net-(D5-K): length 3.4
  Top w0.25: D5.1 51.06,31.9 R13.2
Net-(D6-K): length 3.4
  Top w0.25: R14.2 137.51,143.41 D6.1
Net-(D7-K): length 3.2
  Top w0.25: D7.1 203.93,120.42 v1(203.9,120.4)
  Bottom w0.25: v1(203.9,120.4) R15.2
